# Altium PCB CCZynq.PcbDoc (part 1 of 5) (continued)
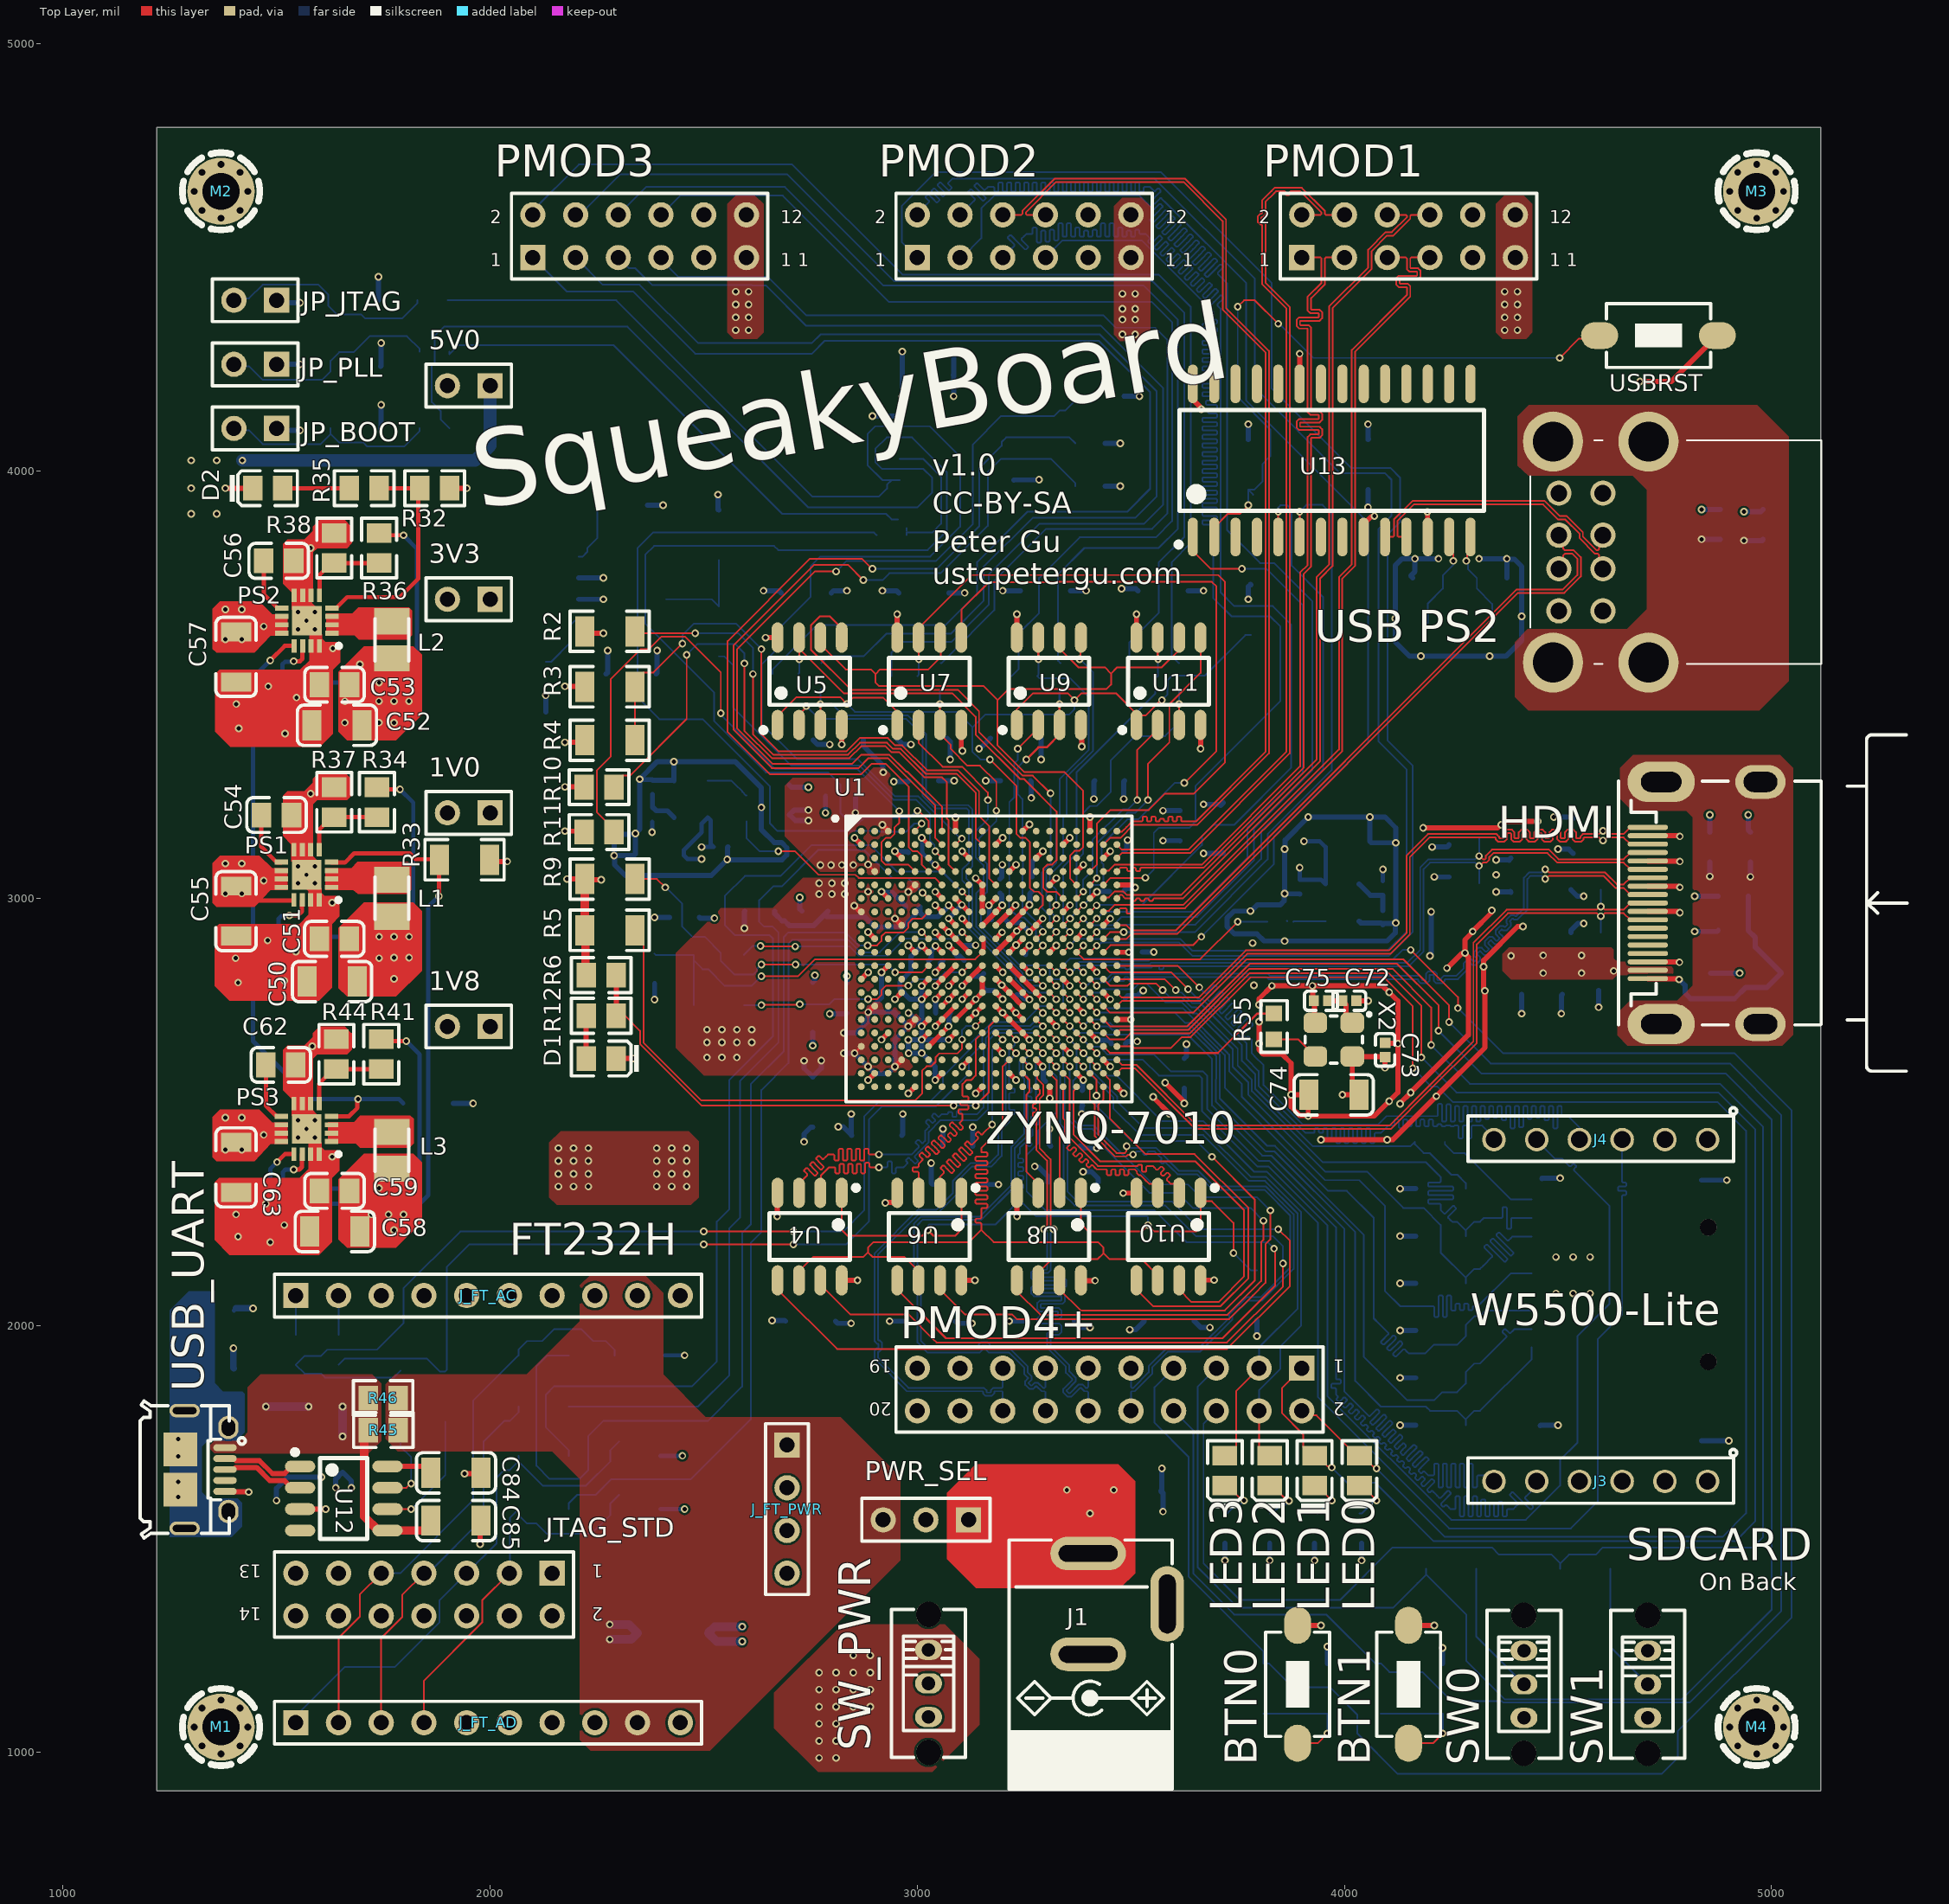
[diagram p0: Top Layer view]
## Components (designator, comment, footprint, x,y, rotation, side; value= is the part's Value field where it differs from the comment)
1V0 "Header 2" HDR1X2 2000,3200 r180 top
1V8 "Header 2" HDR1X2 2000,2700 r180 top
3V3 "Header 2" HDR1X2 2000,3700 r180 top
5V0 "Header 2" HDR1X2 2000,4200 r180 top
BTN0 "PUSHBUTTON" SWPBS_SPST_6X3X5 3890,1160 r270 top
BTN1 "PUSHBUTTON" SWPBS_SPST_6X3X5 4150,1160 r270 top
C1 "100uF" 1206_C 3010,3375 r180 bottom
C2 "4.7uF" 0805_C 3015,3275 r180 bottom
C3 "4.7uF" 0805_C 2455,2955 r180 bottom
C4 "470nF" 0402_C 3215.36,2735 r180 bottom
C5 "470nF" 0402_C 3220,2785 r135 bottom
C6 "470nF" 0402_C 3269.06,3033.27 r90 bottom
C7 "470nF" 0402_C 3241.34,2880 r315 bottom
C8 "100nF" 1206_C 2535.76,2867.32 r180 bottom
C9 "470nF" 0402_C 3155,2806.78 r270 bottom
C10 "4.7uF" 0805_C 2700,3229.96 r270 bottom
C11 "47uF" 1206_C 2755,2523.21 r90 bottom
C12 "100uF" 1206_C 2755,2745 r270 bottom
C13 "4.7uF" 0805_C 2835,2765.96 r270 bottom
C14 "470nF" 0402_C 3043.27,2853.57 r180 bottom
C15 "470nF" 0402_C 3060,2731.55 r0 bottom
C16 "470nF" 0402_C 3040,3005 r90 bottom
C17 "470nF" 0402_C 3110,2871.65 r270 bottom
C18 "4.7uF" 0805_C 2820,3238.94 r0 bottom
C19 "100uF" 1206_C 2815,3370 r0 bottom
C20 "100uF" 1206_C 3095,2330 r0 bottom
C21 "4.7uF" 0805_C 3095,2420 r0 bottom
C22 "470nF" 0402_C 2995.36,3106.73 r180 bottom
C23 "470nF" 0402_C 3193.69,3028.58 r270 bottom
C24 "4.7uF" 0805_C 3230,3275 r180 bottom
C25 "100uF" 1206_C 3230,3375 r180 bottom
C26 "47uF" 1206_C 2905,2445 r180 bottom
C27 "100uF" 1206_C 3365,2335 r180 bottom
C28 "4.7uF" 0805_C 3347.52,2420 r180 bottom
C29 "4.7uF" 0805_C 3625,2590 r270 bottom
C30 "470nF" 0402_C 3470,2764.98 r0 bottom
C31 "470nF" 0402_C 3386.09,2533.08 r270 bottom
C32 "470nF" 0402_C 3470.84,2660 r0 bottom
C33 "470nF" 0402_C 3300,2555 r270 bottom
C34 "470nF" 0402_C 3190,2950 r180 bottom
C35 "470nF" 0402_C 3466.93,3016.54 r0 bottom
C36 "470nF" 0402_C 3510,2873.75 r0 bottom
C37 "470nF" 0402_C 3467.81,3110.13 r0 bottom
C38 "4.7uF" 0805_C 3615,3170 r90 bottom
C39 "4.7uF" 0805_C 3450,3275 r0 bottom
C40 "100uF" 1206_C 3716.55,3165 r90 bottom
C41 "470nF" 0402_C 2990,2980 r0 bottom
C42 "10uF" 0603_C 2760,2970 r0 bottom
C43 "NC" 0402_C 2380,3196.1 r90 bottom
C44 "470nF" 0402_C 2540,3120 r0 bottom
C45 "100nF" 1206_C 2395,3100 r0 bottom
C46 "NC" 0402_C 2380,3260 r90 bottom
C47 "100nF" 1206_C 2535,2750 r0 bottom
C48 "100nF" 1206_C 3025,4225 r180 bottom
C49 "100nF" 1206_C 2330,3525 r180 bottom
C50 "100nF" 1206_C 1630,2805 r0 top
C51 "22uF" 0805_C 1635,2905 r0 top
C52 "100nF" 1206_C 1641.34,3405 r0 top
C53 "22uF" 0805_C 1635.65,3500 r0 top
C54 "3.3nF" 0805_C 1500,3195 r180 top
C55 "10uF" 1206_C 1405,2970 r90 top
C56 "3.3nF" 0805_C 1505,3790 r180 top
C57 "10uF" 1206_C 1405,3565 r90 top
C58 "100nF" 1206_C 1636.34,2220 r0 top
C59 "22uF" 0805_C 1635.65,2315 r0 top
C60 "10uF" 1206_C 1654.45,1715 r90 bottom
C61 "1nF" 0805_C 1365,1900 r180 bottom
C62 "3.3nF" 0805_C 1510,2610 r180 top
C63 "10uF" 1206_C 1405,2370 r90 top
C64 "100nF" 1206_C 2749.68,2010 r0 bottom
C65 "100nF" 1206_C 2740,3715 r180 bottom
C66 "100nF" 1206_C 3030,2010 r0 bottom
C67 "100nF" 1206_C 3015,3715 r180 bottom
C68 "100nF" 1206_C 3309.39,2010 r0 bottom
C69 "100nF" 1206_C 3300,3720 r180 bottom
C70 "100nF" 1206_C 3590,2010 r0 bottom
C71 "100nF" 1206_C 3575,3720 r180 bottom
C72 "NC" 0402_C 4011.34,2760 r180 top
C73 "470nF" 0402_C 4095,2645 r90 top
C74 "100nF" 1206_C 3975,2540 r0 top
C75 "NC" 0402_C 3945,2760 r180 top
C76 "NC" 0402_C 4090,3023.98 r270 bottom
C77 "470nF" 0402_C 3895,3026.74 r270 bottom
C78 "100nF" 1206_C 4000.87,3133.31 r180 bottom
C79 "NC" 0402_C 4090,2955 r270 bottom
C80 "1nF" 0805_C 4880,3875.56 r270 bottom
C81 "1nF" 0805_C 4510,2810 r270 bottom
C82 "10uF" 0603_C 4595,2815 r90 bottom
C83 "1nF" 0805_C 4855,3120 r90 bottom
C84 "100nF" 1206_C 1920,1655 r0 top
C85 "100nF" 1206_C 1920,1543.22 r0 top
C86 "20pF" 0805_C 4195,3750 r0 bottom
C87 "20pF" 0805_C 4345,3750 r180 bottom
C88 "100nF" 1206_C 4055,4015 r270 bottom
C89 "100nF" 1206_C 3775,4015 r90 bottom
D1 "Green" 0805_LED_S1 2260,2625 r180 top
D2 "Green" 0805_LED_S1 1479.06,3960.04 r0 top
D3 "SMAJ5.0CA" SMA(DO-214AC)_S1 3490,1615 r0 bottom
D4 "SMAJ5.0CA" SMA(DO-214AC)_S1 1525.86,1727.32 r270 bottom
D5 "SMAJ5.0CA" SMA(DO-214AC)_S1 2427.96,1280 r0 bottom
D10 "NC" SMA(DO-214AC)_S1 4940,2825 r180 bottom
FB1 "120Ω@100MHz" 0805_L 2385,2835 r90 bottom
FB2 "120Ω@100MHz" 0805_L 2631.27,2970 r180 bottom
FB3 "120Ω@100MHz" 0805_L 4415,2810 r270 bottom
HDMI "HDMI_A" HDMI_A 4710,2988.98 r270 top
J1 "DC_POWER_JACK" JAC_PWR2MM 3400,1466.22 r180 top
J2 "SDCARD" SDMICRO_AT 4645,2035 r90 bottom
J3 "HDRF6" HDR_F_1X6 4600,1635 r180 top locked
J4 "HDRF6" HDR_F_1X6 4600,2435 r180 top locked
J_FT_AC "=VALUE" HDR1X10 1545,2070 r0 top
J_FT_AD "=VALUE" HDR1X10 1545,1070 r0 top
J_FT_PWR "=VALUE" HDR1X4 2695,1720 r270 top
JP_BOOT "Header 2" HDR1X2 1500,4100 r180 top
JP_JTAG "Header 2" HDR1X2 1500,4400 r180 top
JP_PLL "Header 2" HDR1X2 1500,4250 r180 top
JTAG_STD "JTAG Header" HDR2X7 2145,1420 r180 top
L1 "252012CDMCDS2R2MC" INDPM2520X120N 1770,3000 r90 top
L2 "252012CDMCDS2R2MC" INDPM2520X120N 1770,3605 r90 top
L3 "252012CDMCDS2R2MC" INDPM2520X120N 1770,2410 r90 top
LED0 "Green" 0805_LED_S1 4035,1660 r90 top
LED1 "Green" 0805_LED_S1 3930,1660 r90 top
LED2 "Green" 0805_LED_S1 3825,1660 r90 top
LED3 "Green" 0805_LED_S1 3720,1660 r90 top
M1 "DNP/MH" SCMH_M2 1370,1060 r0 top locked
M2 "DNP/MH" SCMH_M2 1370,4655 r0 top locked
M3 "DNP/MH" SCMH_M2 4965,4655 r0 top locked
M4 "DNP/MH" SCMH_M2 4965,1060 r0 top locked
PMOD1 "Header 6X2" HDR2X6 3900,4500 r0 top locked
PMOD2 "Header 6X2" HDR2X6 3000,4500 r0 top locked
PMOD3 "Header 6X2" HDR2X6 2100,4500 r0 top locked
PMOD4+ "Header 10X2" HDR2X10 3900,1900 r180 top
PS1 "TLV62130RGTR" QFN50P300X300X100-17N-D 1570,3055 r180 top
PS2 "TLV62130RGTR" QFN50P300X300X100-17N-D 1570.94,3650 r180 top
PS3 "TLV62130RGTR" QFN50P300X300X100-17N-D 1570,2460 r180 top
PWR_SEL "PWR SEL" HDR1X3 3120,1545 r180 top
R1 "33Ω" 0603_R 2600,3210 r90 bottom
R2 "100KΩ" 1206_R 2280,3625 r180 top
R3 "100KΩ" 1206_R 2280,3495 r180 top
R4 "100KΩ" 1206_R 2280,3370 r180 top
R5 "4.7KΩ" 1206_R 2280,2925 r180 top
R6 "330Ω" 0805_R 2260,2820 r0 top
R7 "20KΩ" 0805_R 3404.96,4065 r0 bottom
R8 "20KΩ" 0805_R 3405.04,3965.04 r0 bottom
R9 "4.7KΩ" 1206_R 2280,3045 r0 top
R10 "20KΩ" 0805_R 2255,3260 r180 top
R11 "20KΩ" 0805_R 2255,3155 r180 top
R12 "330Ω" 0805_R 2260,2725 r0 top
R13 "47Ω" 0805_R 2940,3860 r0 bottom
R14 "20KΩ" 0805_R 1865,4400 r180 bottom
R15 "1KΩ" 1206_R 1680,4400 r0 bottom
R16 "4.7KΩ" 1206_R 2350,1930 r0 bottom
R17 "4.7KΩ" 1206_R 2340,1695 r0 bottom
R18 "4.7KΩ" 1206_R 2340,1570 r0 bottom
R19 "20KΩ" 0805_R 1870,4280 r180 bottom
R20 "1KΩ" 1206_R 1685,4245 r0 bottom
R21 "22Ω" 1206_R 2125,1570 r180 bottom
R22 "20KΩ" 0805_R 1870,4100 r180 bottom
R23 "1KΩ" 1206_R 1685,4100 r0 bottom
R24 "22Ω" 1206_R 2125,1695 r180 bottom
R25 "22Ω" 1206_R 2125,1810 r180 bottom
R26 "22Ω" 1206_R 2125,1930 r180 bottom
R27 "4.7KΩ" 1206_R 3425,4175 r0 bottom
R28 "10KΩ" 1206_R 2130,3495 r270 bottom
R29 "10KΩ" 1206_R 2535,3850 r90 bottom
R30 "22Ω" 1206_R 2535,3625 r270 bottom
R31 "100KΩ" 1206_R 2310,3920.04 r180 bottom
R32 "330Ω" 0805_R 1870,3960 r0 top
R33 "10KΩ" 1206_R 1940,3090 r180 top
R34 "4.99KΩ" 0805_R 1735,3225.04 r90 top
R35 "330Ω" 0805_R 1705,3960 r0 top
R36 "56.2KΩ" 0805_R 1740,3820 r90 top
R37 "20KΩ" 0805_R 1635,3224.96 r270 top
R38 "18KΩ" 0805_R 1635,3820 r270 top
R39 "10KΩ" 1206_R 1855,2520 r180 bottom
R40 "1MΩ" 0805_R 1365,2035 r180 bottom
R41 "18.7KΩ" 0805_R 1745,2635 r90 top
R42 "0Ω NC" 0805_R 1545,1943.19 r90 bottom
R43 "0Ω NC" 0805_R 1645,1943.19 r90 bottom
R44 "15KΩ" 0805_R 1640,2635 r270 top
R45 "0Ω NC" 0805_R 1750,1755 r180 top
R46 "0Ω NC" 0805_R 1749.45,1830 r180 top
R47 "10KΩ" 1206_R 3795,2070 r90 bottom
R48 "10KΩ" 1206_R 3781.34,3675 r270 bottom
R49 "1MΩ" 0805_R 4980,3875 r270 bottom
R50 "0Ω NC" 0603_R 2775,3520 r90 bottom
R51 "0Ω NC" 0603_R 3055,3520 r90 bottom
R52 "0Ω NC" 0603_R 3335,3520 r90 bottom
R53 "0Ω NC" 0603_R 3613,3520 r90 bottom
R54 "0Ω NC" 0603_R 2691.02,3525 r180 bottom
R55 "33Ω" 0603_R 3835,2700 r270 top
R56 "0Ω NC" 0603_R 2970,3520 r180 bottom
R57 "0Ω NC" 0603_R 3250.72,3520 r180 bottom
R58 "0Ω NC" 0603_R 3527.04,3515 r180 bottom
R59 "33Ω" 0603_R 3850,2945 r0 bottom
R60 "100KΩ" 1206_R 4225,1877.36 r180 bottom
R61 "100KΩ" 1206_R 4225,1766.69 r180 bottom
R62 "100KΩ" 1206_R 4225,2209.34 r180 bottom
R63 "100KΩ" 1206_R 4225,2098.68 r180 bottom
R64 "100KΩ" 1206_R 4225,1988.02 r180 bottom
R65 "22Ω" 1206_R 1790,1835 r90 bottom
R66 "10KΩ" 1206_R 4225,2320 r180 bottom
R67 "47Ω" 0805_R 4200,2430 r180 bottom
R68 "22Ω" 1206_R 1895,1833.66 r90 bottom
R69 "10KΩ" 1206_R 3810,1150 r90 bottom
R70 "10KΩ" 1206_R 4085,1150 r90 bottom
R71 "10KΩ" 1206_R 4250,1430 r180 bottom
R72 "10KΩ" 1206_R 4563.66,1430 r180 bottom
R73 "10KΩ" 1206_R 3960,1150 r270 bottom
R74 "10KΩ" 1206_R 4230,1150 r270 bottom
R75 "330Ω" 0805_R 4035,1525 r90 bottom
R76 "330Ω" 0805_R 3930,1525 r90 bottom
R77 "330Ω" 0805_R 3825,1525 r90 bottom
R78 "330Ω" 0805_R 3720,1525 r90 bottom
R79 "47Ω" 0805_R 4425,3094.33 r180 bottom
R80 "47Ω" 0805_R 4425,3014.33 r180 bottom
R81 "47Ω" 0805_R 4280,3140 r180 bottom
R82 "47Ω" 0805_R 4280,3035 r180 bottom
R83 "47Ω" 0805_R 4570,3186.83 r180 bottom
R84 "47Ω" 0805_R 4570,3105 r180 bottom
R85 "47Ω" 0805_R 4565,3020 r180 bottom
R86 "47Ω" 0805_R 4565,2920 r180 bottom
R87 "NC" 0805_R 4910,3005 r180 bottom
R88 "NC" 0805_R 4910,2925 r180 bottom
R89 "1MΩ" 0805_R 4950,3120 r90 bottom
SW0 "SlideSwitch" SWSLIDT_SPDT_S_8X4 4420,1160 r90 top
SW1 "SlideSwitch" SWSLIDT_SPDT_S_8X4 4710,1160 r90 top
SW_PWR "SlideSwitch" SWSLIDT_SPDT_S_8X4 3026.27,1162 r90 top
U1 "XC7Z010-1CLG400I" CLG400 3168,2858 r0 top locked
U2 "W25Q128JVSIQTR" SOIC-8_208mil 3092.16,4053.94 r270 bottom
U3 "SGM706-SYS8" SOIC-8_150mil 2310,3725 r90 bottom
U4 "ESP-PSRAM-64H" SOIC-8_150mil 2748,2208 r180 top locked
U5 "ESP-PSRAM-64H" SOIC-8_150mil 2748,3508 r0 top locked
U6 "ESP-PSRAM-64H" SOIC-8_150mil 3028,2208 r180 top locked
U7 "ESP-PSRAM-64H" SOIC-8_150mil 3028,3508 r0 top locked
U8 "ESP-PSRAM-64H" SOIC-8_150mil 3308,2208 r180 top locked
U9 "ESP-PSRAM-64H" SOIC-8_150mil 3308,3508 r0 top locked
U10 "ESP-PSRAM-64H" SOIC-8_150mil 3588,2208 r180 top locked
U11 "ESP-PSRAM-64H" SOIC-8_150mil 3588,3508 r0 top locked
U12 "CH330N" SOIC-8_150mil 1657.4,1595 r270 top
U13 "CH375B" SOIC-28_300mil 3970,4025 r0 top
"USB PS2" "USB A 2.0 x2" 0672983090 4605,3672.83 r90 top (schematic designator USB/PS2)
USB_UART "CONN_USB_MICROB" USB_MICRO_B_BM_SHT1 1332.09,1662.76 r90 top
USBRST "PUSHBUTTON" SWPBS_SPST_6X3X5 4735,4317.5 r180 top
X1 "40MHz" XTL_4_3225 2470,3232.33 r0 bottom
X2 "40MHz" XTL_4_3225 3975,2669.14 r270 top
X3 "NC" XTL_4_3225 3995,2989.77 r180 bottom
Y1 "12MHz" SMD-5032_2P 4265,3635 r0 bottom

## Footprints (in the part's own frame and the unit in brackets; to place one, negate y for a bottom-side part, rotate by r counter-clockwise, add the part's x,y. Pads: shape width x height; smd on the part's side, far side on the other; paste and mask are expansions set on the pad)
0402_C [mm]
  rect 0.6x0.65 smd mask+0.051: 1(-0.425,0) 2(0.425,0)
  silkscreen extent -0.97,-0.58 0.97,0.58, body extent -0.48,-0.3 0.52,0.3, height 0.2
0603_C [mm]
  rect 0.93x0.98 smd: 1(-0.77,0) 2(0.77,0)
  silkscreen extent -1.54,-0.79 1.54,0.79, body extent -0.8,-0.4 0.8,0.4, height 0.3
0603_R [mm]
  rect 0.93x0.98 smd: 1(-0.77,0) 2(0.77,0)
  silkscreen extent -1.53,-0.79 1.54,0.79, body extent -0.85,-0.4 0.85,0.4, height 0.56
0805_C [mm]
  rect 1.16x1.47 smd: 1(-0.89,0) 2(0.89,0)
  silkscreen extent -1.77,-1.04 1.77,1.04, body extent -1,-0.63 1,0.63, height 0.77
0805_L [mm]
  rect 1.16x1.47 smd: 1(-0.89,0) 2(0.89,0)
  silkscreen extent -1.77,-1.03 1.77,1.03, body extent -1,-0.64 1,0.64, height 0.6
0805_LED_S1 [mm]
  rect 1.16x1.47 smd: A(0.89,0) K(-0.89,0)
  silkscreen extent -2.25,-1.03 1.77,1.03, body extent -1.01,-0.62 1.01,0.62, height 1.1
0805_R [mm]
  rect 1.16x1.47 smd: 1(-0.89,0) 2(0.89,0)
  silkscreen extent -1.77,-1.03 1.77,1.03, body extent -1,-0.62 1,0.63, height 0.49
1206_C [mm]
  rect 1.13x1.8 smd: 1(-1.49,0) 2(1.49,0)
  silkscreen extent -2.36,-1.2 2.35,1.2, body extent -1.6,-0.81 1.6,0.79, height 1
1206_R [mm]
  rect 1.13x1.8 smd: 1(-1.49,0) 2(1.49,0)
  silkscreen extent -2.35,-1.2 2.35,1.2, body extent -1.7,-0.86 1.65,0.87, height 0.85
0672983090 [mm]
  round 1.5 hole 1: A1(0,0) A2(2.5,0) A3(4.5,0) A4(7,0) B1(0,2.62) B2(2.5,2.62) B3(4.5,2.62) B4(7,2.62)
  round 3.57 hole 2.38: MH1(-3.07,-2.71) MH2(10.07,-2.71) MH3(-3.07,2.97) MH4(10.07,2.97)
  silkscreen extent -3.15,-12.99 10.15,4.31, body extent -4.15,-12.99 11.16,4.31, height 15.69
CLG400 [mil] "BGA, 400-Balls, Body 17x17mm, Pitch 0.8mm"
  round 16 smd: A1(-299.21,299.21) A2(-267.72,299.21) A3(-236.22,299.21) A4(-204.72,299.21) A5(-173.23,299.21) A6(-141.73,299.21) A7(-110.24,299.21) A8(-78.74,299.21) A9(-47.24,299.21) A10(-15.75,299.21) A11(15.75,299.21) A12(47.24,299.21) A13(78.74,299.21) A14(110.24,299.21) A15(141.73,299.21) A16(173.23,299.21) A17(204.72,299.21) A18(236.22,299.21) A19(267.72,299.21) A20(299.21,299.21) B1(-299.21,267.72) B2(-267.72,267.72) B3(-236.22,267.72) B4(-204.72,267.72) B5(-173.23,267.72) B6(-141.73,267.72) B7(-110.24,267.72) B8(-78.74,267.72) B9(-47.24,267.72) B10(-15.75,267.72) B11(15.75,267.72) B12(47.24,267.72) B13(78.74,267.72) B14(110.24,267.72) B15(141.73,267.72) B16(173.23,267.72) B17(204.72,267.72) B18(236.22,267.72) B19(267.72,267.72) B20(299.21,267.72) C1(-299.21,236.22) C2(-267.72,236.22) C3(-236.22,236.22) C4(-204.72,236.22) C5(-173.23,236.22) C6(-141.73,236.22) C7(-110.24,236.22) C8(-78.74,236.22) C9(-47.24,236.22) C10(-15.75,236.22) C11(15.75,236.22) C12(47.24,236.22) C13(78.74,236.22) C14(110.24,236.22) C15(141.73,236.22) C16(173.23,236.22) C17(204.72,236.22) C18(236.22,236.22) C19(267.72,236.22) C20(299.21,236.22) D1(-299.21,204.72) D2(-267.72,204.72) D3(-236.22,204.72) D4(-204.72,204.72) D5(-173.23,204.72) D6(-141.73,204.72) D7(-110.24,204.72) D8(-78.74,204.72) D9(-47.24,204.72) D10(-15.75,204.72) D11(15.75,204.72) D12(47.24,204.72) D13(78.74,204.72) D14(110.24,204.72) D15(141.73,204.72) D16(173.23,204.72) D17(204.72,204.72) D18(236.22,204.72) D19(267.72,204.72) D20(299.21,204.72) E1(-299.21,173.23) E2(-267.72,173.23) E3(-236.22,173.23) E4(-204.72,173.23) E5(-173.23,173.23) E6(-141.73,173.23) E7(-110.24,173.23) E8(-78.74,173.23) E9(-47.24,173.23) E10(-15.75,173.23) E11(15.75,173.23) E12(47.24,173.23) E13(78.74,173.23) E14(110.24,173.23) E15(141.73,173.23) E16(173.23,173.23) E17(204.72,173.23) E18(236.22,173.23) E19(267.72,173.23) E20(299.21,173.23) F1(-299.21,141.73) F2(-267.72,141.73) F3(-236.22,141.73) F4(-204.72,141.73) F5(-173.23,141.73) F6(-141.73,141.73) F7(-110.24,141.73) F8(-78.74,141.73) F9(-47.24,141.73) F10(-15.75,141.73) F11(15.75,141.73) F12(47.24,141.73) F13(78.74,141.73) F14(110.24,141.73) F15(141.73,141.73) F16(173.23,141.73) F17(204.72,141.73) F18(236.22,141.73) F19(267.72,141.73) F20(299.21,141.73) G1(-299.21,110.24) G2(-267.72,110.24) G3(-236.22,110.24) G4(-204.72,110.24) G5(-173.23,110.24) G6(-141.73,110.24) G7(-110.24,110.24) G8(-78.74,110.24) G9(-47.24,110.24) G10(-15.75,110.24) G11(15.75,110.24) G12(47.24,110.24) G13(78.74,110.24) G14(110.24,110.24) G15(141.73,110.24) G16(173.23,110.24) G17(204.72,110.24) G18(236.22,110.24) G19(267.72,110.24) G20(299.21,110.24) H1(-299.21,78.74) H2(-267.72,78.74) H3(-236.22,78.74) H4(-204.72,78.74) H5(-173.23,78.74) H6(-141.73,78.74) H7(-110.24,78.74) H8(-78.74,78.74) H9(-47.24,78.74) H10(-15.75,78.74) H11(15.75,78.74) H12(47.24,78.74) H13(78.74,78.74) H14(110.24,78.74) H15(141.73,78.74) H16(173.23,78.74) H17(204.72,78.74) H18(236.22,78.74) H19(267.72,78.74) H20(299.21,78.74) J1(-299.21,47.24) J2(-267.72,47.24) J3(-236.22,47.24) J4(-204.72,47.24) J5(-173.23,47.24) J6(-141.73,47.24) J7(-110.24,47.24) J8(-78.74,47.24) J9(-47.24,47.24) J10(-15.75,47.24) J11(15.75,47.24) J12(47.24,47.24) J13(78.74,47.24) J14(110.24,47.24) J15(141.73,47.24) J16(173.23,47.24) J17(204.72,47.24) J18(236.22,47.24) J19(267.72,47.24) J20(299.21,47.24) K1(-299.21,15.75) K2(-267.72,15.75) K3(-236.22,15.75) K4(-204.72,15.75) K5(-173.23,15.75) K6(-141.73,15.75) K7(-110.24,15.75) K8(-78.74,15.75) K9(-47.24,15.75) K10(-15.75,15.75) K11(15.75,15.75) K12(47.24,15.75) K13(78.74,15.75) K14(110.24,15.75) K15(141.73,15.75) K16(173.23,15.75) K17(204.72,15.75) K18(236.22,15.75) K19(267.72,15.75) K20(299.21,15.75) L1(-299.21,-15.75) L2(-267.72,-15.75) L3(-236.22,-15.75) L4(-204.72,-15.75) L5(-173.23,-15.75) L6(-141.73,-15.75) L7(-110.24,-15.75) L8(-78.74,-15.75) L9(-47.24,-15.75) L10(-15.75,-15.75) L11(15.75,-15.75) L12(47.24,-15.75) L13(78.74,-15.75) L14(110.24,-15.75) L15(141.73,-15.75) L16(173.23,-15.75) L17(204.72,-15.75) L18(236.22,-15.75) L19(267.72,-15.75) L20(299.21,-15.75) M1(-299.21,-47.24) M2(-267.72,-47.24) M3(-236.22,-47.24) M4(-204.72,-47.24) M5(-173.23,-47.24) M6(-141.73,-47.24) M7(-110.24,-47.24) M8(-78.74,-47.24) M9(-47.24,-47.24) M10(-15.75,-47.24) M11(15.75,-47.24) M12(47.24,-47.24) M13(78.74,-47.24) M14(110.24,-47.24) M15(141.73,-47.24) M16(173.23,-47.24) M17(204.72,-47.24) M18(236.22,-47.24) M19(267.72,-47.24) M20(299.21,-47.24) N1(-299.21,-78.74) N2(-267.72,-78.74) N3(-236.22,-78.74) N4(-204.72,-78.74) N5(-173.23,-78.74) N6(-141.73,-78.74) N7(-110.24,-78.74) N8(-78.74,-78.74) N9(-47.24,-78.74) N10(-15.75,-78.74) N11(15.75,-78.74) N12(47.24,-78.74) N13(78.74,-78.74) N14(110.24,-78.74) N15(141.73,-78.74) N16(173.23,-78.74) N17(204.72,-78.74) N18(236.22,-78.74) N19(267.72,-78.74) N20(299.21,-78.74) P1(-299.21,-110.24) P2(-267.72,-110.24) P3(-236.22,-110.24) P4(-204.72,-110.24) P5(-173.23,-110.24) P6(-141.73,-110.24) P7(-110.24,-110.24) P8(-78.74,-110.24) P9(-47.24,-110.24) P10(-15.75,-110.24) P11(15.75,-110.24) P12(47.24,-110.24) P13(78.74,-110.24) P14(110.24,-110.24) P15(141.73,-110.24) P16(173.23,-110.24) P17(204.72,-110.24) P18(236.22,-110.24) P19(267.72,-110.24) P20(299.21,-110.24) R1(-299.21,-141.73) R2(-267.72,-141.73) R3(-236.22,-141.73) R4(-204.72,-141.73) R5(-173.23,-141.73) R6(-141.73,-141.73) R7(-110.24,-141.73) R8(-78.74,-141.73) R9(-47.24,-141.73) R10(-15.75,-141.73) R11(15.75,-141.73) R12(47.24,-141.73) R13(78.74,-141.73) R14(110.24,-141.73) R15(141.73,-141.73) R16(173.23,-141.73) R17(204.72,-141.73) R18(236.22,-141.73) R19(267.72,-141.73) R20(299.21,-141.73) T1(-299.21,-173.23) T2(-267.72,-173.23) T3(-236.22,-173.23) T4(-204.72,-173.23) T5(-173.23,-173.23) T6(-141.73,-173.23) T7(-110.24,-173.23) T8(-78.74,-173.23) T9(-47.24,-173.23) T10(-15.75,-173.23) T11(15.75,-173.23) T12(47.24,-173.23) T13(78.74,-173.23) T14(110.24,-173.23) T15(141.73,-173.23) T16(173.23,-173.23) T17(204.72,-173.23) T18(236.22,-173.23) T19(267.72,-173.23) T20(299.21,-173.23) U1(-299.21,-204.72) U2(-267.72,-204.72) U3(-236.22,-204.72) U4(-204.72,-204.72) U5(-173.23,-204.72) U6(-141.73,-204.72) U7(-110.24,-204.72) U8(-78.74,-204.72) U9(-47.24,-204.72) U10(-15.75,-204.72) U11(15.75,-204.72) U12(47.24,-204.72) U13(78.74,-204.72) U14(110.24,-204.72) U15(141.73,-204.72) U16(173.23,-204.72) U17(204.72,-204.72) U18(236.22,-204.72) U19(267.72,-204.72) U20(299.21,-204.72) V1(-299.21,-236.22) V2(-267.72,-236.22) V3(-236.22,-236.22) V4(-204.72,-236.22) V5(-173.23,-236.22) V6(-141.73,-236.22) V7(-110.24,-236.22) V8(-78.74,-236.22) V9(-47.24,-236.22) V10(-15.75,-236.22) V11(15.75,-236.22) V12(47.24,-236.22) V13(78.74,-236.22) V14(110.24,-236.22) V15(141.73,-236.22) V16(173.23,-236.22) V17(204.72,-236.22) V18(236.22,-236.22) V19(267.72,-236.22) V20(299.21,-236.22) W1(-299.21,-267.72) W2(-267.72,-267.72) W3(-236.22,-267.72) W4(-204.72,-267.72) W5(-173.23,-267.72) W6(-141.73,-267.72) W7(-110.24,-267.72) W8(-78.74,-267.72) W9(-47.24,-267.72) W10(-15.75,-267.72) W11(15.75,-267.72) W12(47.24,-267.72) W13(78.74,-267.72) W14(110.24,-267.72) W15(141.73,-267.72) W16(173.23,-267.72) W17(204.72,-267.72) W18(236.22,-267.72) W19(267.72,-267.72) W20(299.21,-267.72) Y1(-299.21,-299.21) Y2(-267.72,-299.21) Y3(-236.22,-299.21) Y4(-204.72,-299.21) Y5(-173.23,-299.21) Y6(-141.73,-299.21) Y7(-110.24,-299.21) Y8(-78.74,-299.21) Y9(-47.24,-299.21) Y10(-15.75,-299.21) Y11(15.75,-299.21) Y12(47.24,-299.21) Y13(78.74,-299.21) Y14(110.24,-299.21) Y15(141.73,-299.21) Y16(173.23,-299.21) Y17(204.72,-299.21) Y18(236.22,-299.21) Y19(267.72,-299.21) Y20(299.21,-299.21)